# Altium PCB FX_PCB.PcbDoc (part 1 of 7) (continued)
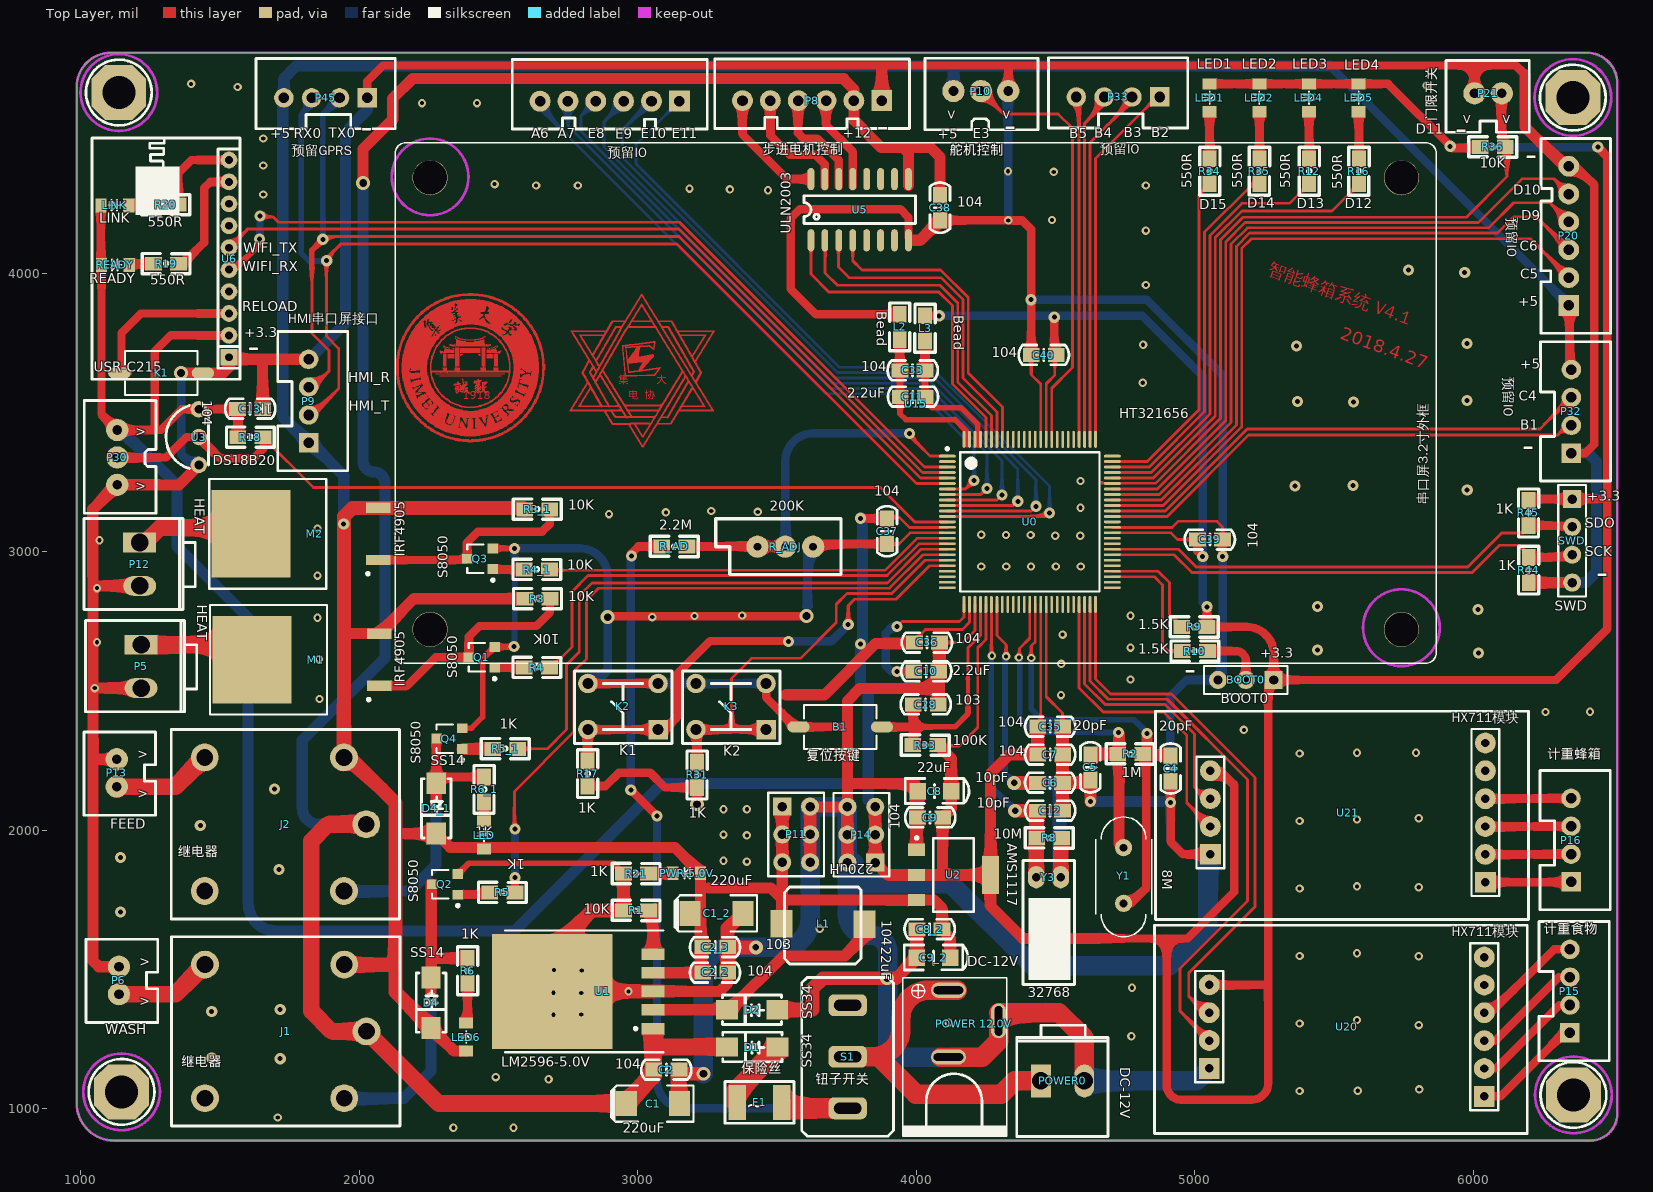
[diagram p0: Top Layer view]
## Nets (pads, with @x,y where several pads share a name; then routed paths per layer and width w, separated by ;. In a path a pad name is that pad's centre, name@x,y a point inside that pad or via, vN(x,y) a via of type N, cw(c..) or ccw(c..) an arc to the next point about the centre after c; other vN are vias at no path point) (continued)
5.0V: C1_2.1 C2_2.2 C2_3.2 C8_2.2 C9_2.1 D4.2 D4_1.2 J1.5 J2.5 L1.2 LED6.1 LED.1 M1.3 M2.3 P9.1 P10.1 P11.1 P11.3 P11.5 P20.1 P32.4 P45.4 PWR-5.0V.1 R3.2 R3_1.2 U1.4 U2.3 | length 13963.6
  Top Layer w30: P20.1@6345.9,3883.65 6345.9,3671.99 P32.4@6354,3663.89
  Top Layer w40: 1944.95,2707 1946.38,2705.57 M1.3@2071.28,2705.57 2196.71,2831 R3.2@2595,2831 ; 2130,1983 2134.32,1987.32 D4_1.2@2276.59,1987.32 2326.91,1937 3134.06,1937 PWR-5.0V.1@3226.06,1845 3226.06,1496 C2_2.2@3233.06,1489 3231.98,1487.93 U1.4@3055.39,1487.93 ; D4.2@2258,1289.9 2340.9,1207 LED6.1@2384,1207 ; 3254.06,1792 3478.95,1792 3516.95,1754 L1.2@3516.95,1663.44 3519,1665.5 3519,1751.95 ; P11.1@3519,2084.48 P11.3@3519,1984.48 P11.5@3519,1884.48 3519,1751.95 ; C9_2.1@4122.06,1542 4122.06,1615 C8_2.2@4093.06,1644 4093.06,1720 4064.61,1748.45 U2.3@4001.18,1748.45 3522.5,1748.45 3519,1751.95
  Top Layer w50: J1.5@1945.95,1517.19 2113.19,1517.19 2130,1534 ; D4.2@2258,1289.9 2130,1417.9 2130,1534 ; R3_1.2@2594,3152 2588.43,3157.57 M2.3@2068.28,3157.57 1975.57,3157.57 1944.95,3126.95 1944.95,2707 J2.5@1944.95,2261.19 1966.81,2261.19 2130,2098 2130,1983 2130,1534
  Bottom Layer w30: 5485.55,4744 P20.1@6345.9,3883.65
  Bottom Layer w40: v2(1944,3100) 1944,3273 1826.11,3390.89 P9.1@1818,3390.89 1725,3483.89 1725,4625.89 P45.4@1729.11,4630 1729.11,4700.11 1773,4744 4140,4744 ; P10.1@4134,4654.31 4134,4738 4140,4744 ; 5485.55,4744 4140,4744
12.0V: C1.1 C2.2 C38.2 D1.2 J1.1 J2.1 P8.2 U1.1 U5.9 | length 8145.8
  Top Layer w40: v3(2014,4324) 2014,4446 2120,4552 2120,4628 2192,4700 3740,4700 ; 3740,4696 3776.35,4659.65 P8.2@3776.35,4619.9 3776.35,4549.65 3874,4452 3952,4452 ; U5.9@3972.22,4316 3972.22,4431.78 3952,4452 ; C38.2@4086,4280 4086,4416.89 4050.89,4452 3952,4452
  Top Layer w60: J2.1@2024.95,2021.19 1888.19,2021.19 1828,1961 1828,1350 1900.81,1277.19 J1.1@2025.95,1277.19 2285.13,1018 C1.1@2960.06,1018 2960.06,1022 3055.39,1117.34 C2.2@3055.39,1140 ; U1.1@3055.39,1277 C2.2@3055.39,1140 ; C2.2@3058.06,1140 C2.2@3055.39,1140 ; 3060.06,1224 3063.06,1221 D1.2@3320.95,1221
  Bottom Layer w40: v3(2014,4324) 2014,3324 ccw(c2051.5,3324) 2051.5,3286.5 cw(c2051.5,3246) 2092,3246 2092,2619 1795,2322 1795,2080 ccw(c1853.81,2080) 1853.81,2021.19 J2.1@2024.95,2021.19
18B20_DQ: P30.2 R18.1 U0.13 U3.2 | length 3215.8
  Top Layer w10: R18.1@1654,3411 1835,3230 3872,3230 3995,3107 U0.13@4111.74,3107
  Top Layer w30: P30.2@1130.68,3338.43 1306.43,3338.43 1379.68,3411.68 U3.2@1423.93,3411.68 1499.61,3336 1622,3336 1656,3370 R18.1@1656,3401
A6: P34.6 U0.7 | length 2314.6
  Top Layer w10: U0.7@4111.74,3225.11 4177.11,3225.11 v2(4208,3256)
  Bottom Layer w10: P34.6@2649.35,4617.9 2649.35,4593.65 3676,3567 4014,3567 4208,3373 v2(4208,3256)
A7: P34.5 U0.8 | length 2358
  Top Layer w10: U0.8@4111.74,3205.43 4232.43,3205.43 v2(4254,3227)
  Bottom Layer w10: P34.5@2749.35,4617.9 2749.35,4529.65 3693,3586 4021.87,3586 4254,3353.87 v2(4254,3227)
ADC: R_AD.2 R_ADJ.2 R_ADJ.3 U0.1 | length 1438.8
  Top Layer w10: v2(3976,3425) 3976,3417 4049.78,3343.22 U0.1@4111.74,3343.22
  Top Layer w30: R_AD.2@3176,3019 3177,3018 R_ADJ.3@3430,3018 R_ADJ.2@3530,3018
  Bottom Layer w30: R_ADJ.3@3430,3018 R_ADJ.2@3530,3018 3530,3325 cw(c3630,3325) 3630,3425 v2(3976,3425)
ADC_GET: F1.1 R_AD.1 S1.1 | length 3023
  Top Layer w30: v2(2975,2144) 2976,2144 v2(3069,2051) ; v2(2977,2985) 2977,2994 3002,3019 R_AD.1@3086,3019
  Top Layer w70: F1.1@3525.06,1001 S1.1@3754.06,1001
  Bottom Layer w30: v2(2975,2144) v2@2975,2985 ; v2(3069,2051) 3069,1101 ccw(c3169,1101) 3169,1001 S1.1@3754.06,1001
B1: P32.2 U0.64 | length 1784.3
  Top Layer w10: U0.64@4704.26,3126.69 4901.69,3126.69 5194,3419 6304,3419 6338.89,3453.89 P32.2@6353,3453.89
B2: P33.1 U0.76 | length 1331.3
  Top Layer w10: U0.76@4644.22,3403.26 4644.22,4412.22 4865,4633 P33.1@4875.11,4633
B3: P33.2 U0.77 | length 1292.1
  Top Layer w10: U0.77@4624.54,3403.26 4624.54,4468.54 4775.11,4619.11 P33.2@4775.11,4633
B4: P33.3 U0.78 | length 1258.8
  Top Layer w10: U0.78@4604.85,3403.26 4604.85,4537.85 4675.11,4608.11 P33.3@4675.11,4633
B5: P33.4 U0.79 | length 1233.9
  Top Layer w10: P33.4@4575.11,4633 4575.11,4623.89 4585.17,4613.83 U0.79@4585.17,3403.26
C4: P32.3 U0.65 | length 1837.5
  Top Layer w10: U0.65@4704.26,3146.37 4894.5,3146.37 5189.13,3441 6240.11,3441 P32.3@6353,3553.89 P32.3@6373,3553.89
C5: P20.2 U0.66 | length 2472.1
  Top Layer w10: U0.66@4704.26,3166.06 4887.32,3166.06 5169,3447.74 5169,4088.78 5204.22,4124 6205.55,4124 P20.2@6345.9,3983.65
C6: P20.3 U0.67 | length 2488
  Top Layer w10: U0.67@4704.26,3185.74 4880.13,3185.74 5150,3455.61 5150,4096.65 5197.35,4144 6088,4144 6147,4203 6226.55,4203 P20.3@6345.9,4083.65
D9: P20.4 U0.68 | length 2479.8
  Top Layer w10: U0.68@4704.26,3205.43 4872.95,3205.43 5131,3463.48 5131,4104.52 5189.48,4163 6056,4163 6146,4253 6276.55,4253 P20.4@6345.9,4183.65
D10: P20.5 U0.69 | length 2501.5
  Top Layer w10: U0.69@4704.26,3225.11 4865.76,3225.11 5112,3471.35 5112,4112.39 5181.61,4182 6019,4182 6176,4339 6290.55,4339 P20.5@6345.9,4283.65
E8: P34.4 U0.9 | length 2458.6
  Top Layer w10: U0.9@4111.74,3185.74 4289.74,3185.74 v2(4308,3204)
  Bottom Layer w10: P34.4@2849.35,4617.9 2796,4564.55 2796,4510.13 3701.13,3605 4029.74,3605 4308,3326.74 v2(4308,3204)
E9: P34.3 U0.10 | length 2533.5
  Top Layer w10: U0.10@4111.74,3166.06 4350.06,3166.06 v2(4365,3181)
  Bottom Layer w10: P34.3@2949.35,4617.9 2949.35,4614.9 2879,4544.55 2879,4454 3709,3624 4037.61,3624 4365,3296.61 v2(4365,3181)
E10: P34.2 U0.11 | length 2630.7
  Top Layer w10: U0.11@4111.74,3146.37 4413.37,3146.37 v2(4430,3163)
  Bottom Layer w10: P34.2@3049.35,4617.9 2945,4513.55 2945,4415.13 3717.13,3643 4045.48,3643 4430,3258.48 v2(4430,3163)
E11: P34.1 U0.12 | length 2723.1
  Top Layer w10: U0.12@4111.74,3126.69 4466.69,3126.69 v2(4479,3139)
  Bottom Layer w10: P34.1@3149.35,4617.9 2994,4462.55 2994,4393 3725,3662 4053.35,3662 4479,3236.35 v2(4479,3139)
FEED: R5_1.1 U0.18 | length 2094.4
  Top Layer w10: R5_1.1@2569,2292 2675,2292 2744,2361 2744,2594 2790,2640 2790,2842 2836,2888 3896.74,2888 4017.31,3008.57 U0.18@4111.74,3008.57
GATE: P21.2 R36.2 U0.70 | length 2604.4
  Top Layer w10: U0.70@4704.26,3244.8 U0.70@4704.94,3245.48 ; R36.2@6122,4433 6122,4347 5976,4201 5173.74,4201 5093,4120.26 5093,3479.22 4859.26,3245.48 U0.70@4704.94,3245.48 ; 4670.91,3245.48 4666.71,3249.69 4666.71,3245.48 4670.91,3245.48 ; 4670.91,3245.48 U0.70@4704.94,3245.48
  Top Layer w30: P21.2@6103.43,4646 6103.43,4466.57 R36.2@6116,4454 ; R36.2@6122,4433 R36.2@6122,4454 ; P21.2@6122,4644.57 P21.2@6123.43,4646
GND: "POWER 12.0V.2" "POWER 12.0V.3" B1.1 BOOT0.3 C1.2 C1_2.2 C2.1 C2_2.1 C2_3.1 C4.1 C5.1 C6.2 C7.1 C8.2 C8_2.1 C9.1 C9_2.2 C10.2 C12.2 C13.2 C28.2 C35.1 C36.1 C37.1 C38.1 C39.1 C40.1 D2.1 K1.2 K2.2 K2.3 K3.2 K3.3 L2.1 P5.2 P6.2 P8.1 P9.4 P10.3 P11.2 P11.4 P11.6 P12.2 P13.2 P14.2 P14.4 P14.6 P20.6 P21.1 P30.1 P32.1 P45.1 POWER0.2 Q1.1 Q2.1 Q3.1 Q4.1 R1.1 R21.2 R44.2 R_ADJ.1 SWD.4 U0.15 U0.28 U0.41 U0.62 U0.86 U1.3 U1.6 U2.1 U3.1 U5.8 U6.1 U20.4 U21.4 | length 34630.9
  Top Layer w10: C37.1@3896,3028 3938,3028 3977.63,3067.63 U0.15@4097,3067.63 ; C36.1@4084,2674 4168,2674 4211.15,2717.15 U0.28@4211.15,2810.74 ; C40.1@4413,3706 4413,3637 4447.37,3602.63 U0.86@4447.37,3403.26 ; U0.41@4467.06,2810.74 4467.06,2478.94 4525.69,2420.31 C35.1@4525.69,2371.06 ; U0.62@4704.26,3087.32 4919.31,3087.32 4941,3109 5080,3109 5100,3089 C39.1@5100,3044
  Top Layer w20: Q2.1@2353.97,1842.95 2355.08,1842.95 2393.06,1880.93 2912.12,1880.93 R21.2@2949.06,1844 ; Q4.1@2370.05,2366.09 2403.09,2366.09 2443,2406 2443,2614.98 Q1.1@2485.97,2657.95 v2@2566.95,2657.95 ; Q3.1@2479.97,3011.95 v2(2558,3011.95) v2@2569,3011.95
  Top Layer w30: P45.1@2029.11,4630 2029.11,4690.11 2085,4746 6005,4746 ; K2.3@2821.02,2526.68 K2.2@3072.98,2526.68 ; v3(2892.02,2764.68) 2896.02,2768.68 v3(3606,2768.68) v3@3608.98,2768.68 ; K3.2@3460.98,2526.68 3460.98,2477.02 3567.2,2370.8 B1.1@3577.29,2370.8 3744.2,2370.8 3753.11,2361.89 ; R_ADJ.1@3630,3018 3640,3028 C37.1@3896,3028 ; L2.1@3940.94,3852.21 3640.79,3852.21 3549,3944 3549,4196 3583,4230 3943,4230 3972.22,4200.78 3972.22,4127.78 U5.8@3981.69,4118.31 ; C38.1@4086,4190 4381,4190 4413,4158 C40.1@4413,3706 ; P10.3@4330.85,4654.31 4330.85,4737 ; C4.1@4914,2176 v2(4914,2099) 4914,1958 4958.81,1913.19 U21.4@5056.51,1913.19 ; C39.1@5100,3044 5100,2984 v2(5101,2983) ; P21.1@6005,4646 6005,4746 ; 6187,4713 6154,4746 6005,4746 ; P32.1@6343,3353.89 6403.89,3353.89 6435,3385 6435,4318 6369.35,4383.65 P20.6@6345.9,4383.65
  Top Layer w40: P13.2@1129,2254.43 1050.57,2254.43 1044,2261 ; P6.2@1137,1509.43 1064.57,1509.43 1044,1530 1044,2261 ; P12.2@1211.26,2877.09 1049.09,2877.09 v1@1044,2872 ; P5.2@1216.26,2510.09 v1(1050.09,2510.09) v1@1044,2504 ; v3@1360,3642 v3(1360.2,3641.8) 1510.8,3641.8 1536,3667 1536,3694 1539.11,3690.89 1638,3690.89 ; U3.1@1423.93,3311.68 1352.25,3240 P30.1@1130.68,3240 1043,3152.32 1043,2914 1044,2913 v1@1044,2872 ; C13.2@1653,3513 1653,3675.89 1638,3690.89 ; P9.4@1818,3690.89 1638,3690.89 ; R1.1@2949.06,1712 R21.2@2949.06,1844 ; U1.3@3055.39,1421 3294.06,1421 3323.06,1450 C2_2.1@3323.06,1489 ; P11.6@3619,1884.48 P11.4@3619,1984.48 P11.2@3619,2084.48 3619.96,2083.52 P14.6@3753.11,2083.52 ; P14.2@3753.11,1883.52 P14.4@3753.11,1983.52 P14.6@3753.11,2083.52 ; 3761,2167 3995,2167 3995,2151.06 C8.2@4001.5,2144.56 ; P8.1@3876.35,4619.9 3876.35,4740.35 3877,4741 ; 3928.06,1468 C9_2.2@4002.06,1542 4003.06,1543 C8_2.1@4003.06,1644 ; U5.8@3981.69,4118.31 4014.31,4118.31 C38.1@4086,4190 ; U2.1@4001.18,1929.55 4001.18,2135.13 C8.2@4006.06,2140 ; C28.2@4083,2470 4084,2471 4084,2508 ; C36.1@4084,2674 4084,2508 ; C12.2@4525.69,2069.5 C6.2@4525.69,2170 ; C35.1@4525.69,2371.06 C7.1@4525.69,2268 ; C7.1@4526.69,2269 C7.1@4525.69,2268 ; v2@4624,2101 v2(4626,2103) C5.1@4626,2170 ; C5.1@4626,2180 C5.1@4626,2170 ; 6187,4713 6187,4525 6328.35,4383.65 P20.6@6345.9,4383.65 ; R44.2@6200,2889 6355.88,2889 SWD.4@6355.95,2889.07 ; 1044,2261 v1@1044,2504 ; v1@1044,2504 v1@1044,2872 ; P14.6@3753.11,2083.52 3753.11,2361.89 3753.11,2464.11 3797,2508 4084,2508 ; C6.2@4525.69,2170 C7.1@4525.69,2268 ; C6.2@4525.69,2170 C5.1@4626,2170
  Top Layer w50: R1.1@2949.06,1712 2835.06,1712 2692.72,1569.66 U1.6@2692.72,1421 U1.3@3055.39,1421 ; C1.2@3150.06,1018 3148.06,1020 C2.1@3148.06,1140 ccw(c3163.06,1140) 3163.06,1125 v3(3236,1125) ; C2_2.1@3323.06,1489 C2_3.1@3323.06,1580 ; C1_2.2@3378.06,1701 3323.06,1646 C2_3.1@3323.06,1580 ; v4(3424.06,1579) 3367.06,1579 3366.06,1580 C2_3.1@3323.06,1580 ; D2.1@3501.06,1355 3628.06,1355 3628.06,1431 3665.06,1468 3928.06,1468 ; 4296.06,1315 4296.06,1345
  Top Layer w70: 4088.06,1185 4116.06,1185 4238.06,1185 4296.06,1243 4296.06,1315 ; 4296.06,1345 4512.06,1345 4603.96,1253.09 POWER0.2@4603.96,1099.26
  Bottom Layer w20: v2(2556,2660) 2558,2662 v2(2558,3011.95)
  Bottom Layer w30: v3(1360.2,3641.8) 1360.2,3349.8 1398.32,3311.68 U3.1@1423.93,3311.68 ; v2(2558,3011.95) 2792.02,3011.95 cw(c2792.02,2911.95) 2892.02,2911.95 2892.02,2573.68 K2.3@2846.02,2527.68 ; K2.2@3072.98,2526.68 K3.3@3209.02,2526.68 K3.2@3460.98,2526.68 ; v3@3608.98,2768.68 3608.98,2996.98 R_ADJ.1@3630,3018 ; v1(4330.85,4189.85) P10.3@4330.85,4654.31 ; v2(4412,3905) 4828,3905 5101,3632 v2(5101,2983) 5101,2556.15 BOOT0.3@5084.03,2539.18 4970.18,2539.18 4913,2482 4913,1962 4961.81,1913.19 U21.4@5056.51,1913.19
  Bottom Layer w40: P9.4@1818,3690.89 1818.89,3690.89 1950,3822 1950,4508 2029.11,4587.11 P45.1@2029.11,4630 ; v2(4626,2103) 4910,2103 v2(4914,2099) ; P32.1@6343,3353.89 6413.11,3353.89 6443,3324 6443,2927 6405.07,2889.07 SWD.4@6355.95,2889.07
  Bottom Layer w70: v3(3236,1125) 3236,1479 cw(c3336,1479) 3336,1579 v4(3424.06,1579) 3519,1579 ccw(c3519,1679) 3619,1679 P11.6@3619,1884.48 P11.4@3619,1984.48 P11.2@3619,2084.48 3752.16,2084.48 P14.6@3753.11,2083.52 P14.4@3753.11,1983.52 P14.2@3753.11,1883.52 ; 4116.06,1185 3957.06,1185 cw(c3957.06,1244) 3898.06,1244 3898.06,1561.94 ccw(c3837,1561.94) 3837,1623 3826.14,1623 cw(c3826.14,1696.03) 3753.11,1696.03 P14.2@3753.11,1883.52 ; POWER0.2@4603.96,1099.26 5007.58,1099.26 U20.4@5052.51,1144.19 ; U21.4@5056.51,1913.19 5048,1904.68 5048,1650 4911,1513 4419,1513 4124.98,1807.02 3776.61,1807.02 3776.61,1883.52 P14.2@3753.11,1883.52
  other v1: 2338,931 2554,931 1707,968 5377,1063 5586,1064 5807,1069 2680,1105 2490,1113 4773,1260 5805,1299.6 5377,1305.4 4117,1308 5583,1318 2697,1337 2797,1338 2797,1415 2697.72,1416 2967,1421 4775,1434 2799,1496 2699,1498 5805,1547.2 5377,1547.8 5583,1558 3654,1646 5377,1790.2 5805,1794.8 5583,1798 3392,1887 3308,1890 3392,1981 3308,1984 5377,2032.6 5583,2038 5805,2042.4 3308,2075 3392,2075 5377,2275 5583,2278 5795,2278 5177,2360 6260,2424 6420,2425 1857,2471 4520,2485 4770,2541 4521,2597 1855,2614 4770,2655.5 1058,2675 4526,2702 1850,2763 3052,2765 3204,2769 4770,2770 3375,2771 1058,2869 1850,2914 4234,2947 4323.25,2947 4412.5,2947 4501.75,2947 4591,2947 1067,3041 4499.5,3057 4589,3057 4322.5,3060 4411,3060 4234,3061 1850,3083 2897,3135 3101,3141 3431,3143 3264,3146 4590,3158 4590,3254 4814,3607 4815,3743 4825,3958 4825,4153 4488,4191 1655,4283 3468,4298 3331,4301 3186,4304 2635,4315 2785,4315 4825,4315 2486,4320 4494,4364 4330,4366 1655,4387 1655,4484 2225,4611 2423,4611 1563,4669 5833,4674 1396,4680
  other v2: 1716,1179 1470,1182 1470,1348 1716,1356 1142,1706 1712,1859 1142,1902 1429,2017 1695,2148 6019,2636 5441,2647 6018,2793 5441,2803 5979,3222 5361,3236 5569,3238 5571,3538 5369,3540 5978,3543 5366,3739 5978,3748 5970,4002 5768,4011
  other v3: 3896,1468
HEAT_1: R4.1 U0.17 | length 1728.7
  Top Layer w10: R4.1@2683,2584 2690,2584 2764,2658 2764,2856 2822,2914 3895.87,2914 4010.13,3028.26 U0.17@4111.74,3028.26
HEAT_2: R4_1.1 U0.16 | length 1477.6
  Top Layer w10: R4_1.1@2683,2936 2686,2933 3888,2933 4002.94,3047.94 U0.16@4111.74,3047.94
HMI_RX: P9.3 P45.2 U0.5 | length 3750.9
  Top Layer w10: P9.3@1818,3590.89 1833.89,3590.89 1891,3648 1891,3723 1830,3784 1830,4022 ; v2(1869,4122) 1879,4132 3147.87,4132 4015.39,3264.48 U0.5@4111.74,3264.48
  Top Layer w20: 1830,4022 1830,4082 v2@1869.5,4121.5
  Bottom Layer w20: v2(1869,4122) 1869,4569.89 P45.2@1929.11,4630
HMI_TX: P9.2 P45.3 U0.6 | length 3923.3
  Top Layer w10: P9.2@1818,3490.89 1831.89,3490.89 1926,3585 1926,3730 1882,3774 1882,4029 1890,4037 1890,4062 1933,4105 3141,4105 4001.2,3244.8 U0.6@4111.74,3244.8
  Bottom Layer w20: P45.3@1829.11,4630 1829.11,4607.11 1791,4569 1791,4072 1819,4044 1872,4044 v2@1883,4055
  other v2: 1883,4045
HX711_DO1: U0.49 U20.3 | length 2068.4
  Top Layer w10: U0.49@4624.54,2810.74 4624.54,2535.46 4690,2470 4901.87,2470 5190,2181.87 5190,1745 4948,1503 4948,1348.7 U20.3@5052.51,1244.19
HX711_DO2: U0.47 U21.3 | length 1119.3
  Top Layer w10: U0.47@4585.17,2810.74 4585.17,2510.83 4672,2424 4888,2424 4972,2340 4972,2097.7 U21.3@5056.51,2013.19
HX711_SCK1: U0.50 U20.2 | length 1969.8
  Top Layer w10: U0.50@4644.22,2810.74 4644.22,2542.65 4697.87,2489 4917,2489 5217,2189 5217,1725 4979,1487 4979,1403 5037.81,1344.19 U20.2@5052.51,1344.19
HX711_SCK2: U0.48 U21.2 | length 1019.8
  Top Layer w10: U0.48@4604.85,2810.74 4604.85,2525.15 4679,2451 4894,2451 5000,2345 5000,2154 5040.81,2113.19 U21.2@5056.51,2113.19
K1: K2.1 K2.4 R17.2 U0.21 | length 1780.4
  Top Layer w10: v2(3756,2739) 3756,2806 3779,2829 3928,2829 4048.52,2949.52 U0.21@4111.74,2949.52
  Top Layer w30: R17.2@2820,2248 2820,2360.31 K2.4@2821.02,2361.32 K2.1@3072.98,2361.32 3096.98,2361.32 3143,2407.34 3143,2562 3260,2679 v2@3544,2679
  Bottom Layer w30: v2(3542,2678) 3695,2678 v2(3756,2739)
K2: K3.1 K3.4 R31.2 U0.20 | length 1544.7
  Top Layer w10: 3337,2361.32 3337,2545 3409,2617 3585,2617 3713,2745 3713,2811 3752,2850 3912.48,2850 4031.68,2969.2 U0.20@4111.74,2969.2
  Top Layer w30: R31.2@3213,2243 3213,2357.34 K3.4@3209.02,2361.32 3337,2361.32 K3.1@3460.98,2361.32
LED1: R34.1 U0.74 | length 1215.9
  Top Layer w10: U0.74@4704.26,3323.54 4829.84,3323.54 5016,3509.7 5016,4283 R34.1@5054,4321
LED2: R35.1 U0.73 | length 1327.7
  Top Layer w10: U0.73@4704.26,3303.85 4837.02,3303.85 5036,3502.83 5036,4148 5209,4321 R35.1@5232.67,4321
LED3: R12.1 U0.72 | length 1512.1
  Top Layer w10: U0.72@4704.26,3284.17 4844.21,3284.17 5055,3494.96 5055,4136 5170,4251 5341.33,4251 R12.1@5411.33,4321
LED4: R16.1 U0.71 | length 1698.9
  Top Layer w10: U0.71@4704.26,3264.48 4851.39,3264.48 5074,3487.09 5074,4128.13 5169.87,4224 5493,4224 R16.1@5590,4321
MOTOR: P10.2 U0.84 | length 1532.3
  Top Layer w10: P10.2@4232.43,4654.31 4314.74,4572 4510,4572 4561,4521 4561,3661 4486.74,3586.74 U0.84@4486.74,3403.26
NetB1_2: B1.2 C28.1 R33.2 U0.29 | length 879.2
  Top Layer w10: 4186,2539 4186,2655 4230.83,2699.83 U0.29@4230.83,2804
  Top Layer w15: 4186,2418 4186,2539
  Top Layer w20: 3989,2371 4139,2371 4186,2418
  Top Layer w30: B1.2@3877.29,2370.8 3988.8,2370.8 3989,2371 ; R33.2@3988,2305 3989,2306 3989,2371 ; C28.1@3989,2451 3989,2371
NetBOOT0_2: BOOT0.2 R10.2 | length 226.8
  Top Layer w30: R10.2@5046,2643 5149,2643 cw(c5149,2607.97) 5184.03,2607.97 BOOT0.2@5184.03,2539.18
NetC10_1: C10.1 U0.26 | length 576.5
  Top Layer w10: v2(3931,2731) 3949,2749 4156,2749 4171.78,2764.78 U0.26@4171.78,2810.74
  Top Layer w30: v2@3927,2570 C10.1@3991,2570
  Bottom Layer w30: v2@3927,2570 3911,2570 3891,2590 3891,2708 3914,2731 v2(3931,2731)
  other v2: 3931,2570
NetC11_1: C11.1 C33.1 L2.2 U0.99 U0.100 | length 583.3
  Top Layer w20: C33.1@3942,3651 3942,3495 3963,3474 4136,3474 4138,3476 4181.78,3432.22 4181.78,3384
  Top Layer w30: L2.2@3940.94,3762.21 3940.94,3652.06 C33.1@3942,3651
NetC11_2: C11.2 C33.2 L3.2 U0.97 U0.98 | length 513.8
  Top Layer w20: C33.2@4032,3651 4032,3544 4058.5,3517.5 4161.5,3517.5 4220.83,3458.17 4220.83,3382
  Top Layer w30: L3.2@4031.94,3757.21 4031.94,3651.06 C33.2@4032,3651
NetD1_1: D1.1 F1.2 | length 243.7
  Top Layer w70: F1.2@3353.35,1019.71 3353.35,1063.35 3487,1197 D1.1@3498.06,1197
NetD2_2: D2.2 L1.1 U1.2 | length 885.9
  Top Layer w40: U1.2@3055.39,1354.07 3056.32,1355 3276.06,1355 D2.2@3286.17,1365.11 ; D2.2@3319.95,1355 3330.06,1355 3523.06,1548 3744.06,1548 3812.95,1616.89 L1.1@3812.95,1666
NetD4_1: D4.1 J1.4 Q2.3 R6.2 | length 1165.3
  Top Layer w40: Q2.3@2258.45,1806.55 2258.45,1545 ; v2@2259,1391 2258,1392 v2(2258,1399) D4.1@2258,1471 2258.45,1471.45 2258.45,1545 ; R6.2@2389,1540 2263.45,1540 2258.45,1545
  Bottom Layer w40: J1.4@1945.95,1037.19 2160.19,1037.19 2258,1135 v2(2258,1399)
NetD4_1_1: D4_1.1 J2.4 Q4.3 R6_1.2 | length 1007.3
  Top Layer w30: Q4.3@2277.53,2328.69 2276.59,2327.75 D4_1.1@2276.59,2168.42 2299.17,2191 R6_1.2@2448,2191
  Top Layer w40: v2@2276.59,2088.41 D4_1.1@2276.59,2168.42
  Bottom Layer w40: J2.4@1944.95,1781.19 2182.19,1781.19 2276,1875 v2(2276,2091)
NetJ1_3: J1.3 P6.1 | length 352.9
  Top Layer w60: P6.1@1137,1411 1339.76,1411 J1.3@1445.95,1517.19
NetJ2_3: J2.3 P13.1 | length 359.5
  Top Layer w60: P13.1@1129,2156 1339.76,2156 J2.3@1444.95,2261.19
NetLED1_2: LED1.2 R34.2 | length 169
  Top Layer w30: R34.2@5054,4411 LED1.2@5054,4580
NetLED2_2: LED2.2 R35.2 | length 169.1
  Top Layer w30: LED2.2@5232.33,4580 5232.67,4579.67 R35.2@5232.67,4411
NetLED4_2: LED4.2 R12.2 | length 169.3
  Top Layer w30: LED4.2@5410.67,4580 5411.33,4579.33 R12.2@5411.33,4411
NetLED5_2: LED5.2 R16.2 | length 169.4
  Top Layer w30: LED5.2@5589,4580 5590,4579 R16.2@5590,4411
NetLED6_2: LED6.2 R6.1 | length 145.1
  Top Layer w30: LED6.2@2384,1307 2389,1312 R6.1@2389,1450
NetLED_2: LED.2 R6_1.1 | length 61
  Top Layer w30: LED.2@2448,2040 R6_1.1@2448,2101
NetLINK_2: LINK.2 R20.2 | length 88.8
  Top Layer w10: LINK.2@1172,4244 LINK.2@1174,4246
  Top Layer w30: LINK.2@1174,4246 R20.2@1260,4246
NetM1_1: M1.1 P5.1 | length 420.8
  Top Layer w60: P5.1@1216.26,2666 1560.46,2666 M1.1@1614.59,2611.87
NetM1_2: M1.2 Q1.3 R3.1 | length 815.9
  Top Layer w30: M1.2@2071.28,2518.17 2171.17,2518.17 2273.55,2620.55 Q1.3@2393.45,2620.55 2393.45,2695.45 2431,2733 2636,2733 2685,2782 R3.1@2685,2831
NetM2_1: M2.1 P12.1 | length 407.5
  Top Layer w60: P12.1@1234,3036 1284,3086 1589.46,3086 M2.1@1611.59,3063.87
NetM2_2: M2.2 Q3.3 R3_1.1 | length 756.6
  Top Layer w30: M2.2@2068.28,2970.17 2383.07,2970.17 Q3.3@2387.45,2974.55 2387.45,3033.45 2426,3072 2657,3072 2684,3099 R3_1.1@2684,3152
NetP8_3: P8.3 U5.13 | length 347.6
  Top Layer w30: P8.3@3676.35,4619.9 3676.35,4532.65 3772.22,4436.78 U5.13@3772.22,4312
NetP8_4: P8.4 U5.14 | length 397.1
  Top Layer w30: P8.4@3576.35,4619.9 3576.35,4505.35 3575,4504 3596,4483 3645,4483 3722.22,4405.78 U5.14@3722.22,4313
NetP8_5: P8.5 U5.15 | length 442.9
  Top Layer w30: P8.5@3476.35,4619.9 3476.35,4494.65 3545,4426 3637,4426 3672.22,4390.78 U5.15@3672.22,4312
NetP8_6: P8.6 U5.16 | length 426.3
  Top Layer w30: P8.6@3376.35,4619.9 3376.35,4498.65 3536.69,4338.31 U5.16@3615,4338.31
NetP15_1: P15.1 U20.5 | length 402.1
  Top Layer w30: U20.5@6040.26,1044 6098,1044 6325.89,1271.89 P15.1@6348,1271.89
NetP15_2: P15.2 U20.6 | length 402.1
  Top Layer w30: U20.6@6040.26,1144 6082,1144 6309.89,1371.89 P15.2@6348,1371.89
NetP15_3: P15.3 U20.7 | length 402.1
  Top Layer w30: U20.7@6040.26,1244 6080,1244 6307.89,1471.89 P15.3@6348,1471.89
NetP15_4: P15.4 U20.8 | length 402.1
  Top Layer w30: U20.8@6040.26,1344 6063,1344 6290.89,1571.89 P15.4@6348,1571.89
NetP16_1: P16.1 U21.5 | length 308.1
  Top Layer w30: U21.5@6044.26,1813 6351.11,1813 P16.1@6352,1813.89
NetP16_2: P16.2 U21.6 | length 308.1
  Top Layer w30: U21.6@6044.26,1913 6351.11,1913 P16.2@6352,1913.89
NetP16_3: P16.3 U21.7 | length 308.1
  Top Layer w30: U21.7@6044.26,2013 6351.11,2013 P16.3@6352,2013.89
NetP16_4: P16.4 U21.8 | length 308.1
  Top Layer w30: U21.8@6044.26,2113 6351.11,2113 P16.4@6352,2113.89
NetPOWER0_1: "POWER 12.0V.1" POWER0.1 S1.2 | length 1224.2
  Top Layer w70: S1.2@3754.06,1186.04 3845.06,1186.04 ; 4147.06,1425 4116.06,1425 4045.06,1425 ccw(c4045.06,1325) 3945.06,1325 3945.06,1286.04 cw(c3845.06,1286.04) 3845.06,1186.04 ; POWER0.1@4448.06,1099.26 4353.32,1099.26 4306.06,1052 3999,1052 3864.96,1186.04 3845.06,1186.04
NetPWR-5.0V_2: PWR-5.0V.2 R21.1 | length 87.4
  Top Layer w40: R21.1@3039.06,1844 3125.06,1844 PWR-5.0V.2@3126.06,1845
NetQ1_2: Q1.2 R4.2 | length 107.4
  Top Layer w30: Q1.2@2485.97,2583.15 2486.82,2584 R4.2@2593,2584
NetQ2_2: Q2.2 R5.2 | length 120.9
  Top Layer w30: Q2.2@2350.97,1769.15 2462.15,1769.15 R5.2@2469,1776
NetQ3_2: Q3.2 R4_1.2 | length 113.5
  Top Layer w30: Q3.2@2479.97,2937.15 2481.12,2936 R4_1.2@2593,2936
NetQ4_2: Q4.2 R5_1.2 | length 109.2
  Top Layer w40: Q4.2@2370.05,2291.29 2478.29,2291.29 R5_1.2@2479,2292
NetR1_2: R1.2 U1.5 | length 166.9
  Top Layer w40: U1.5@3055.39,1554.86 3055.39,1712.34 R1.2@3062.06,1719
NetR9_1: R9.1 U0.54 | length 399.9
  Top Layer w10: U0.54@4704.26,2929.83 4869.17,2929.83 4910,2889 4910,2774 R9.1@4954,2730
NetR10_1: R10.1 U0.53 | length 489.5
  Top Layer w10: U0.53@4704.26,2910.15 4855.85,2910.15 4885,2881 4885,2664 4906,2643 R10.1@4956,2643
NetR19_2: R19.2 READY.2 | length 88.7
  Top Layer w30: READY.2@1174,4030 1178,4034 R19.2@1261,4034
NLINK: R20.1 U6.10 | length 315.5
  Top Layer w30: R20.1@1350,4246 1350,4360 1396.67,4406.67 U6.10@1532.14,4406.67
OSC32IN: C12.1 R8.1 U0.31 Y3.1 | length 1097.4
  Top Layer w10: v1@4270,2620 4270.2,2620.2 U0.31@4270.2,2810.74
  Top Layer w50: v4(4355.5,2069.5) C12.1@4435.69,2069.5 4431,2064.81 Y3.1@4431,1831
  Bottom Layer w20: v1@4270,2620 4270,2155 v4(4355.5,2069.5)
  other v1: 4272,2626
OSC32OUT: C6.1 R8.2 U0.32 Y3.2 | length 1367.5
  Top Layer w10: U0.32@4289.89,2810.74 4289.89,2699.11 4323,2666 v1@4323,2635
  Top Layer w50: v4@4361,2170 C6.1@4435.69,2170 ; Y3.2@4519,1831 4519,1968 R8.2@4523,1972
  Bottom Layer w20: v1(4323,2624) 4319,2620 4319,2203 v4(4352,2170)
  Bottom Layer w50: v4(4352,2170) 4494,2170 4515,2149 4515,1835 Y3.2@4519,1831
OSCIN: C5.2 R2.1 U0.38 Y1.1 | length 1311.1
  Top Layer w10: v1@4371,2628 4371,2652 4408,2689 U0.38@4408,2810.74
  Top Layer w40: C5.2@4626,2270 4630,2274 R2.1@4724,2274 ; v2(4727,2351) 4729,2349 4729,1953 Y1.1@4743,1939
  Bottom Layer w20: v1(4369,2620) 4372,2617 4372,2403 4424,2351 v2(4727,2351)
OSCOUT: C4.2 R2.2 U0.39 Y1.2 | length 1687.6
  Top Layer w10: v1(4413,2618) 4413,2661 4427.69,2675.69 U0.39@4427.69,2810.74
  Top Layer w30: Y1.2@4745,1737 4772,1737 4826,1791 4826,2268 R2.2@4832,2274 ; R2.2@4814,2274 R2.2@4832,2274 ; R2.2@4833,2275 R2.2@4832,2274 ; R2.2@4838,2270 4843,2265 C4.2@4922,2265 ; C4.2@4914,2266 4906,2274 R2.2@4832,2274
  Top Layer w40: v2(4829,2347) 4829,2279 R2.2@4833,2275
  Bottom Layer w20: v1(4413,2618) 4413,2436 4453,2396 4782,2396 v2@4830,2348
READY: R19.1 U6.9 | length 417.7
  Top Layer w30: R19.1@1351,4034 1367,4034 1443,4110 1443,4306 1464.93,4327.93 U6.9@1532.14,4327.93
RELOAD: K1.1 U6.3 | length 568.4
  Top Layer w30: K1.1@1168.29,3641.8 1146,3664.09 1146,3786 1215.49,3855.49 U6.3@1532.14,3855.49
STEP_IN1: U0.96 U5.1 | length 1206.7
  Top Layer w10: U5.1@3622.22,4118.31 3622.22,3996.78 3686,3933 4081,3933 4130,3884 4130,3602 4250.52,3481.48 U0.96@4250.52,3403.26
STEP_IN2: U0.95 U5.2 | length 1178.9
  Top Layer w10: U5.2@3672.22,4118.31 3673,4117.53 3673,4001 3717,3957 4086,3957 4149,3894 4149,3609.87 4270.2,3488.67 U0.95@4270.2,3403.26
STEP_IN3: U0.94 U5.3 | length 1144.5
  Top Layer w10: U5.3@3722.22,4118.31 3721,4117.09 3721,4022 3759,3984 4089,3984 4168,3905 4168,3624 4289.89,3502.11 U0.94@4289.89,3403.26
STEP_IN4: U0.93 U5.4 | length 1103.3
  Top Layer w10: U5.4@3772.22,4118.31 3772.22,4044.78 3805,4012 4087.87,4012 4187,3912.87 4187,3642 4309.57,3519.43 U0.93@4309.57,3403.26
SWCLK: R44.1 SWD.3 U0.57 | length 1765
  Top Layer w10: U0.57@4704.26,2988.89 4926.11,2988.89 4990,2925 5997,2925 6095,3023 6165,3023 6201,2987 6189,2987 R44.1@6199,2977
  Top Layer w30: R44.1@6200,2979 6345.88,2979 SWD.3@6355.95,2989.07
SWDIO: R45.1 SWD.2 U0.58 | length 1748.1
  Top Layer w10: U0.58@4704.26,3008.57 4942.43,3008.57 5006,2945 5981,2945 6103,3067 6181,3067 R45.1@6206.07,3092.07
  Top Layer w30: R45.1@6199,3094 6351.02,3094 SWD.2@6355.95,3089.07
WASH: R5.1 U0.19 | length 2513.9
  Top Layer w10: v2@2557,2010 2557,2139 2770,2352 2770,2569 2816,2615 2816,2825 2860,2869 3904.61,2869 4024.5,2988.89 U0.19@4111.74,2988.89
  Top Layer w30: R5.1@2559,1776 v2(2559,1829)
  Bottom Layer w30: v2(2559,1829) v2(2559,2004)
WIFI_RX: U0.3 U6.5 | length 3092.3
  Top Layer w10: v2@1643,4202 1691,4202 1710.03,4182.97 3150.64,4182.97 4029.76,3303.85 U0.3@4111.74,3303.85
  Top Layer w20: U6.5@1532.14,4012.97 1552.97,4012.97 1642,4102 v2(1642,4123)
  Bottom Layer w20: v2@1644,4125 v2(1644,4206)
  Bottom Layer w30: v2(1642,4123) v2@1644,4125
WIFI_TX: U0.4 U6.6 | length 2969.8
  Top Layer w10: U6.6@1532.14,4091.71 1599.43,4159 3147.74,4159 4022.57,3284.17 U0.4@4111.74,3284.17
pads on no net: J1.2 J2.2 S1.3 U0.2 U0.22 U0.23 U0.24 U0.25 U0.33 U0.34 U0.35 U0.36 U0.37 U0.42 U0.43 U0.44 U0.45 U0.46 U0.51 U0.52 U0.55 U0.56 U0.59 U0.60 U0.63 U0.75 U0.80 U0.81 U0.82 U0.83 U0.87 U0.88 U0.89 U0.90 U0.91 U0.92 U5.5 U5.6 U5.7 U5.10 U5.11 U5.12 U6.4 U6.7 U6.8 U15.A U15.B U15.C U15.D U20.9 U20.10 U21.9 U21.10
copper on no net: | length 100480.9